# Allegro board 6089-119-RevB_08.brd (continued)
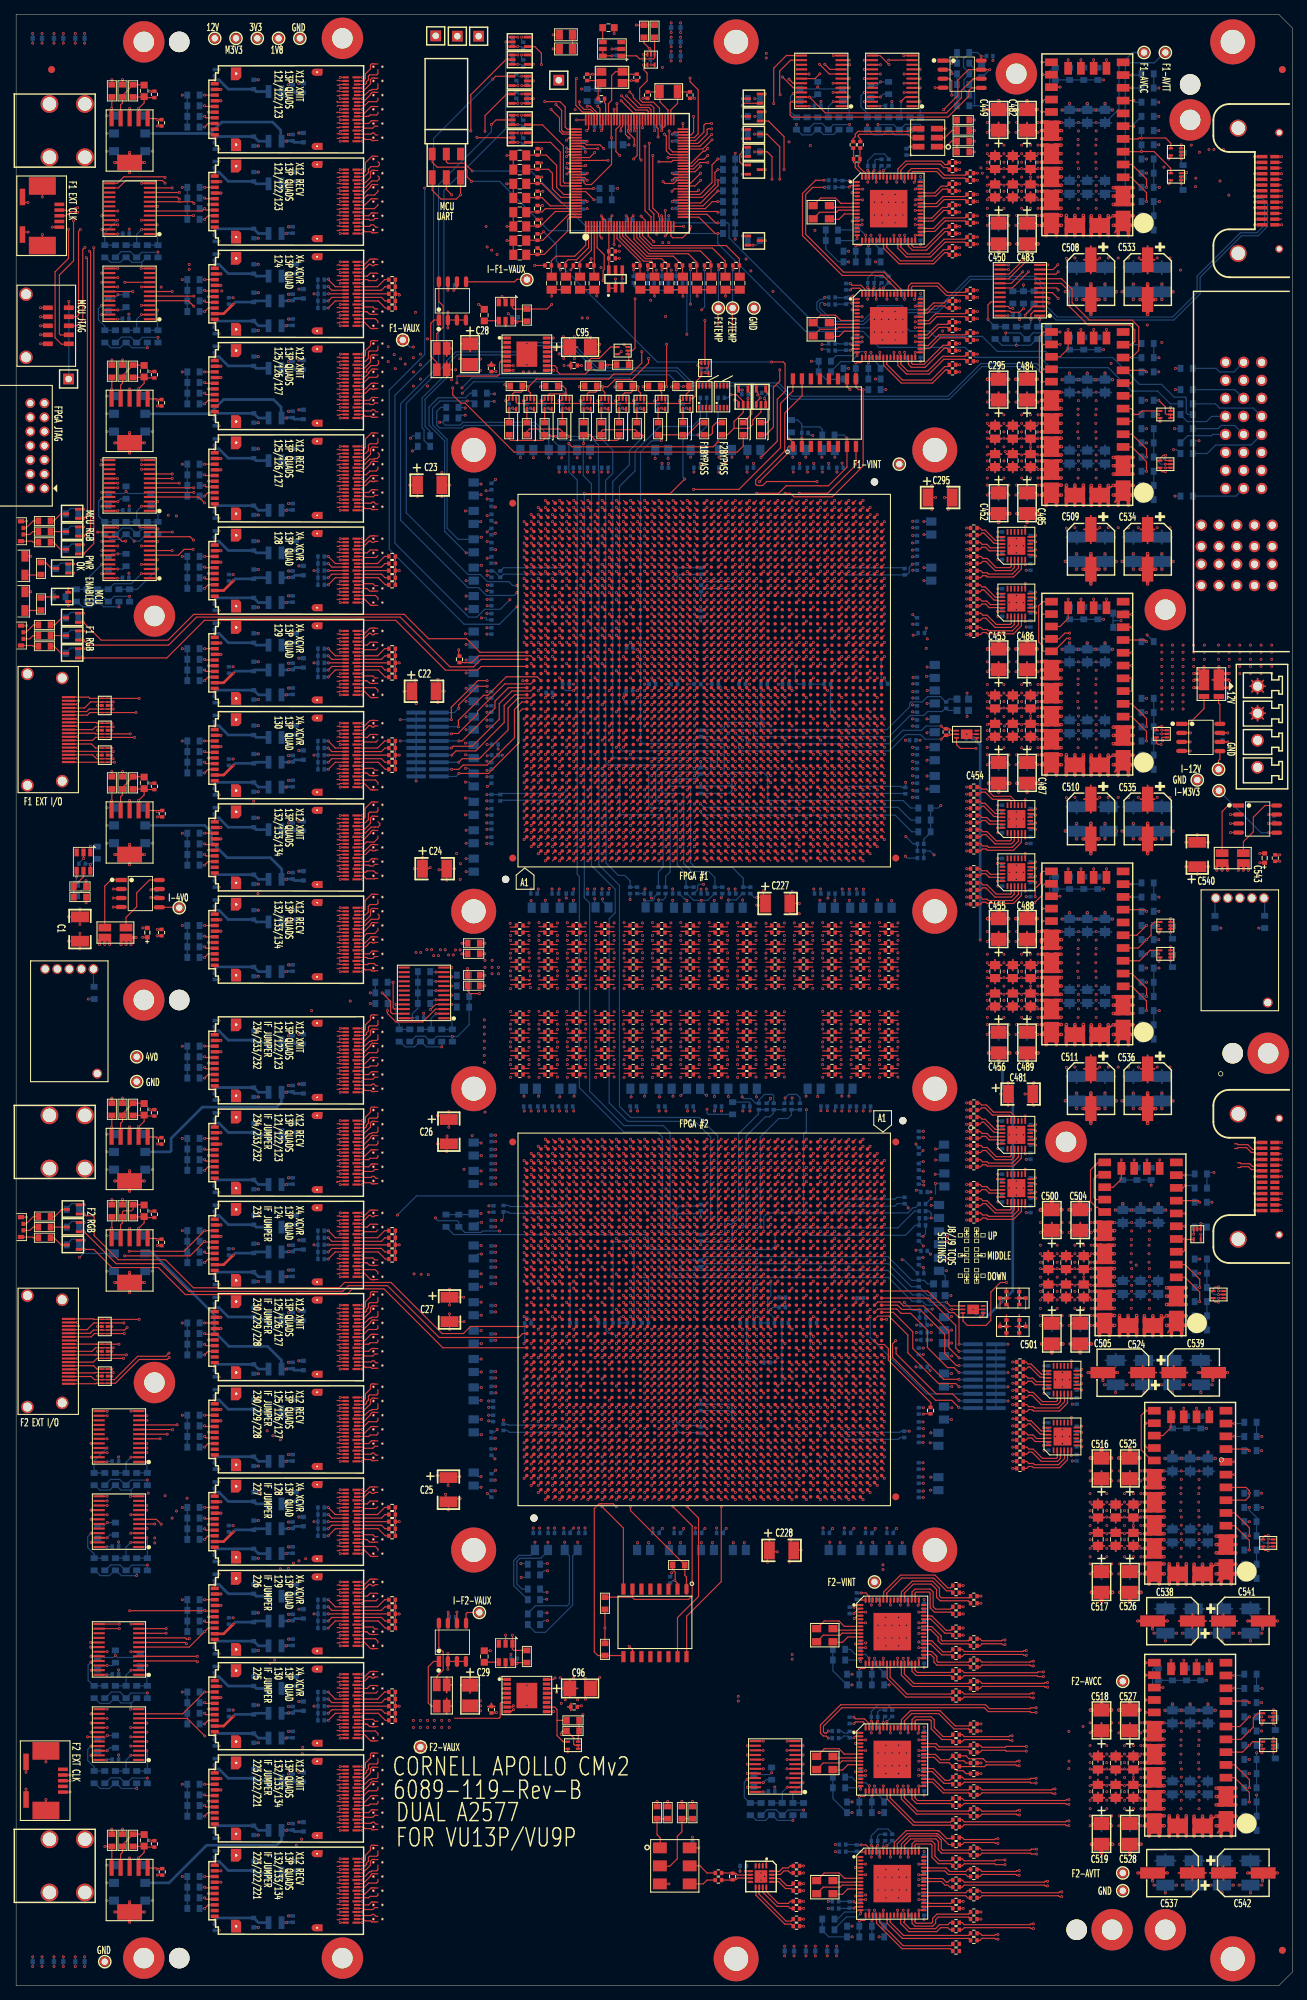
[diagram p0: board, top side]
## Routing (per net, layer and track width the routed paths; a pad name or vN(x,y) marks a point on that pad's centre or on a via; arc(x,y) is an arc through that point) (continued)
  TOP w0.5: v1(144.55,134.05) 145.57,134.05 145.93,134.4 ; v1(144.55,135.45) 145.55,135.45 145.93,135.07 ; 145.93,133.68 146.65,132.95 v1(146.65,132.6) ; 145.93,133.68 145.2,132.95 v1(145.2,132.6) ; 145.93,133.68 145.93,134.4 ; 145.93,134.4 U108.26 146.28,134.05 v1(147.35,134.05) ; 145.93,134.4 145.93,135.07 ; 145.93,135.07 146.3,135.45 v1(147.33,135.45) ; 145.93,138.32 145.93,138.35 145.43,138.85 v1(144.54,138.85) ; 145.93,138.32 146.45,138.85 v1(147.31,138.85) ; 145.93,138.32 145.93,137.65 ; v1(147.31,136.45) 146.4,136.45 145.93,136.93 ; v1(144.54,136.45) 145.45,136.45 145.93,136.93 ; 145.93,137.65 145.93,136.93 ; 145.93,137.65 v1(147.31,137.65) ; 145.93,137.65 v1(144.54,137.65)
  PWR2 w0.254: PM8.1 37.67,273.73 ; PM8.1 37,273.52 ; PM8.1 36.33,275.07 ; PM8.1 37.67,275.07 ; PM8.1 36.33,273.73 ; PM8.1 37.88,274.4 ; PM8.1 37,275.28 ; PM8.1 36.12,274.4
  BOTTOM w0.165: C666.1 142.89,109.74 v1(142.25,109.74) ; v1(127.24,15.65) 127.8,15.65 C749.1 ; v1(125.25,246.66) 125.25,246.1 C794.1 ; R329.1 v1(122.6,224.9) ; v1(138.34,118.65) 138.8,118.65 C693.1 ; C982.1 70.21,261.06 v1(70.72,261.06) ; C987.1 v1(66.61,82.4) ; v1(134.05,182.14) 134.05,181.51 L1.1 ; v1(111.34,5.58) C863.1 v1(111.34,4.22) ; v1(127.24,29.65) 127.8,29.65 C746.1 ; R421.1 99.55,153.45 v1(99.4,153.3) ; v1(144.84,86.65) 145.3,86.65 C649.1 ; v1(104.36,125.25) 104.35,125.25 104.35,126.34 C872.1 ; v1(88,222.3) 87.8,222.3 87.5,222 C923.1 ; C665.1 142.89,117.24 v1(142.25,117.24) ; 55.85,136.37 55.88,136.4 C1052.1 ; 55.85,136.37 55.85,136.95 56.64,137.74 R491.2 R490.2 R489.2 R488.2 ; 55.85,136.37 55.8,136.32 v1(55.83,136.32) ; v1(126.75,246.66) 127.31,246.66 C756.1 ; C695.1 138.8,111.15 v1(138.34,111.15) ; C634.1 149.39,74.74 v1(148.75,74.74) ; R300.2 v1(129,110.95) ; v1(148.75,82.74) 149.39,82.74 C633.1 ; v1(102.79,16.15) 102.79,16.74 C875.1 ; v1(122.25,10.66) 122.25,10.2 C815.1 ; R482.2 v1(61.5,133.77) ; v1(61.5,133.77) 61.52,133.75 62.2,133.75 63.86,135.41 R478.2 R477.2 R476.2 R475.2 ; v1(61.5,133.77) 59.32,133.77 58.59,133.04 R485.2 58.41,133.04 57.65,133.8 56.35,133.8 55.59,133.04 R493.2 ; C820.1 121.45,18.44 v1(121.75,18.14) ; v1(126.74,231.65) 127.3,231.65 C759.1 ; v1(96.9,155.2) 96.25,155.2 96.05,155 96.05,154.4 95.55,153.9 R433.1 ; v1(127.25,10.66) 127.81,10.66 C751.1 ; C765.1 127.5,105.6 v1(127.85,105.6) 128.2,105.95 R303.1 ; C1032.1 v1(63.44,182.81) ; C936.1 82.5,222 82.8,222.3 v1(83,222.3) ; v1(142.25,154.24) 142.36,154.35 C662.1 ; C741.1 127.8,51.15 v1(127.24,51.15) ; v1(138.34,193.65) 138.8,193.65 C687.1 ; v1(142.25,200.24) 142.36,200.35 C657.1 ; v1(126.75,230.16) 127.31,230.16 C760.1 ; C1029.1 v1(63.44,195.81) ; v1(66.35,172.55) 66.8,172.55 C1003.1 ; v1(77.5,222.3) 77.3,222.3 77,222 C954.1 ; R483.1 R479.1 64.35,108.66 C1041.1 v1(65.56,108.81) ; C979.1 70.21,274.56 v1(70.72,274.56) ; R298.2 128.45,95.35 v1(129.15,95.35) ; v1(70.72,272.06) 70.21,272.06 C980.1 ; v1(80.5,222.3) 80.3,222.3 80,222 C941.1 ; v1(127.24,52.65) 127.7,52.65 C740.1 ; R305.2 127.95,161.55 128.91,162.51 R297.1 R296.1 R295.1 130,165.95 v1(130.35,166.3) ; C690.1 138.8,158.15 v1(138.34,158.15) ; v1(70.72,267.74) 70.72,268.23 C975.1 ; C790.1 125.78,259.13 v1(126.05,259.13) ; C798.1 125.75,18.6 v1(125.75,18.14) ; v1(92.34,273.22) C905.1 v1(92.34,274.58) ; C911.1 v1(91.95,214.51) ; C799.1 124.95,254.44 v1(125.25,254.14) ; v1(121.75,230.16) 121.75,229.7 C817.1 ; C688.1 138.8,165.65 v1(138.34,165.65) ; v1(126.74,236.65) 127.04,236.95 C757.1 ; C909.1 92.55,57.1 v1(92.85,57.1) ; v1(75,222.3) 74.8,222.3 74.5,222 C959.1 ; v1(127.25,46.16) 127.81,46.16 C743.1 ; v1(5.34,4.08) C1231.1 v1(5.34,2.72) ; v1(125.75,46.16) 125.75,45.6 C791.1 ; C1013.1 v1(67.6,107.85) ; v1(126.74,253.15) 127.04,253.45 C753.1 ; v1(72.5,222.3) 72.3,222.3 72,222 C970.1 ; C755.1 127.3,248.15 v1(126.74,248.15) ; C822.1 121.25,238.1 v1(121.25,237.64) ; C750.1 127.8,12.15 v1(127.24,12.15) ; C792.1 125.75,27.6 v1(125.75,28.16) ; L4.1 131.7,97.25 131.7,97.26 v1(131.78,97.26) ; C686.1 138.8,196.15 v1(138.34,196.15) ; C661.1 142.89,161.74 v1(142.25,161.74) ; C981.1 70.21,263.56 v1(70.72,263.56) ; v1(138.34,201.65) 138.8,201.65 C685.1 ; C1047.1 v1(65.59,84.31) ; v1(96.23,19.44) 96.22,19.45 C926.1 ; C684.1 138.8,204.15 v1(138.34,204.15) ; v1(91,222.3) 90.8,222.3 90.5,222 C916.1 ; R367.1 113.64,219.31 113.3,219.65 110.75,219.65 ; v1(121.75,53.64) 121.75,54.1 C818.1 ; v1(127.25,28.16) 127.81,28.16 C747.1 ; 110.75,219.65 110.75,220.05 110.19,220.61 R383.1 ; 110.75,219.65 C864.1 110.75,218.09 v1(110.77,218.07) ; C795.1 125.25,229.6 v1(125.25,230.16) ; C691.1 138.8,155.65 v1(138.34,155.65) ; R497.2 v1(49.93,138.4) ; R380.1 110.5,125.15 110.05,125.6 108.9,125.6 v1(108.4,125.1) 108.4,124.45 R387.1 ; C918.1 v1(90.56,153) 90.57,153 91.2,153 91.55,153.35 R438.2 ; v1(125.75,10.66) 125.75,10.1 C793.1 ; v1(125.75,35.64) 125.75,36.03 125.7,36.15 C797.1 ; v1(122.25,28.16) 122.25,27.7 C814.1 ; v1(121.25,254.14) 121.25,254.6 C821.1 ; C816.1 121.75,246.2 v1(121.75,246.66) ; v1(138.34,113.65) 138.8,113.65 C694.1 ; C650.1 145.3,84.15 v1(144.84,84.15) ; C658.1 142.89,192.24 v1(142.25,192.24) ; C898.1 94,222 94.3,222.3 v1(94.5,222.3) ; C796.1 125.75,54.1 v1(125.75,53.64) ; v1(127.24,33.15) 127.8,33.15 C745.1 ; v1(126.74,251.65) 126.94,251.85 C754.1 ; C721.1 130.96,81.45 v1(131.9,81.45) ; C919.1 89.45,153.4 89.5,153.35 89.5,153.26 v1(89.56,153.26) ; C819.1 121.75,36.1 v1(121.75,35.64) ; C800.1 124.95,237.94 v1(125.25,237.64) ; C913.1 v1(91.91,215.2) ; v1(86.56,153.05) 86.55,153.05 R449.1 ; v1(144.84,78.65) 145.3,78.65 C651.1 ; C997.1 v1(66.4,195.35) ; v1(144.84,76.15) 145.3,76.15 C652.1 ; C744.1 127.7,34.65 v1(127.24,34.65) ; v1(138.34,163.15) 138.8,163.15 C689.1 ; C1000.1 v1(66.36,182.35) ; C929.1 85,222 85.3,222.3 v1(85.5,222.3) ; C723.1 130.61,105.8 131.05,105.8 v1(131.28,105.58) ; C808.1 v1(123.41,152.91) ; v1(70.72,265.24) 70.72,265.73 C976.1 ; C758.1 126.94,235.35 v1(126.74,235.15) ; C983.1 69.5,222 69.8,222.3 v1(70,222.3) ; C887.1 97.45,227.65 v1(97.1,227.3) ; R412.1 103.33,124.51 103.45,124.4 C873.1 103.45,123.27 v1(103.44,123.27) ; C748.1 127.7,17.15 v1(127.24,17.15) ; v1(138.34,121.15) 138.8,121.15 C692.1 ; v1(122.25,46.16) 122.25,45.7 C813.1 ; C742.1 127.8,47.65 v1(127.24,47.65) ; v1(5.34,275.08) C1230.1 v1(5.34,273.72) ; C1038.1 v1(63.44,158.81) ; v1(124.91,62.45) C801.1 ; C770.1 v1(127.89,81.45)
  BOTTOM w0.254: 138,137.24 C448.1 ; C448.1 138,138.74 ; C448.1 137.1,137.99 ; C448.1 138.9,137.99 ; C642.1 149.4,138.49 ; C642.1 147.6,138.49 ; C642.1 148.5,137.74 ; 139.6,137.99 C464.1 ; C464.1 140.5,138.74 ; C464.1 140.5,137.24 ; C464.1 141.4,137.99 ; C489.1 143.8,134.36 ; C489.1 142.5,135.45 ; C489.1 142.5,133.27 ; C489.1 141.2,134.36 ; C497.1 143.9,137.99 ; C497.1 143,138.74 ; C497.1 142.1,137.99 ; C497.1 143,137.24 ; 151,137.74 C624.1 ; C624.1 150.1,138.49 ; C624.1 151.9,138.49 ; C456.1 138.5,135.45 ; C456.1 139.8,134.36 ; C456.1 137.2,134.36 ; C456.1 138.5,133.27 ; 152.6,138.49 C607.1 153.5,137.74
  BOTTOM w0.38: C1055.1 39.29,237.74 C1090.1 v1(38.39,237.45) 38.34,237.4 L10.1 ; L41.1 38.34,64.4 v1(38.39,64.45) C1112.1 39.29,64.74 C1068.1 ; C1069.1 39.29,51.74 C1114.1 v1(38.39,51.45) 38.34,51.4 L44.1 ; C1065.1 39.29,103.74 C1107.1 v1(38.39,103.45) 38.34,103.4 L34.1 ; L20.1 38.34,185.4 v1(38.39,185.45) C1097.1 39.29,185.74 C1059.1 ; C1058.1 39.29,198.74 C1095.1 v1(38.39,198.45) 38.34,198.4 L17.1 ; C1060.1 39.29,172.74 C1099.1 v1(38.39,172.45) 38.34,172.4 L23.1 ; L47.1 38.34,38.4 v1(38.39,38.45) C1116.1 39.29,38.74 C1070.1
  vias: v1(136.9,138.85) v1(136.9,137.65) v1(136.9,136.45) v1(136.9,135.45) v1(136.9,134.05) v1(139.25,138.85) v1(139.25,137.65) v1(139.25,136.45) v1(139.95,135.45) v1(139.95,134.05) v1(140.95,134.05) v1(141.05,135.45) v1(141.75,138.85) v1(141.75,137.65) v1(141.75,136.45) v1(143,136.45) v1(144.05,138.85) v1(144.05,137.65) v1(144.05,136.45) v1(144.05,135.45) v1(144.05,134.05) v1(149.7,136.45) v1(149.75,138.85) v1(149.75,137.65) v1(152.25,138.85) v1(152.25,137.65) v1(152.25,136.45)
V_3V3: length 233.1
  TOP w0.165: U90.13 v1(119.76,29.65) ; U89.13 v1(119.76,47.65) ; D3.3 v1(1.45,108.3) ; U87.13 v1(119.26,231.65) ; U86.13 v1(119.26,248.15) ; D2.3 v1(1.45,191.65) ; D4.2 v1(2.06,201.42) ; R76.2 v1(62.85,146.9) ; U91.13 v1(119.76,12.15)
  TOP w0.254: 74.78,40.58 75.49,40.58 ; U56.12 75.49,229.57 ; 147.18,144.12 U108.23 144.72,144.12 ; 76.95,41.9 C96.1 ; C96.1 79.13,41.9 ; C96.1 78.04,40.6 ; C96.1 78.04,43.2 ; C77.1 78.2,39.78 ; C77.1 78.2,38.82 ; C77.1 77.77,39.3 ; 138.5,146.35 C455.1 ; C455.1 137.2,147.44 ; C455.1 138.5,148.53 ; C455.1 139.8,147.44 ; U56.13 75.49,230.22 ; C76.1 78.2,228.78 ; C76.1 77.77,228.3 ; C76.1 78.2,227.82 ; 141.2,147.44 C488.1 ; C488.1 142.5,146.35 ; C488.1 142.5,148.53 ; C488.1 143.8,147.44 ; C447.1 138.9,143.81 ; C447.1 138,144.56 ; C447.1 137.1,143.81 ; C447.1 138,143.06 ; 140.5,143.06 C463.1 ; C463.1 140.5,144.56 ; C463.1 139.6,143.81 ; C463.1 141.4,143.81 ; 147.18,147.38 U108.22 144.72,147.38 ; 142.1,143.81 C496.1 ; C496.1 143,144.56 ; C496.1 143,143.06 ; C496.1 143.9,143.81 ; 76.95,230.9 C95.1 ; C95.1 78.04,232.2 ; C95.1 78.04,229.6 ; C95.1 79.13,230.9 ; U56.14 75.49,230.88 ; U57.13 75.49,41.23 ; U57.14 75.49,41.88
  TOP w0.5: v1(147.31,145.35) 146.45,145.35 145.93,144.82 ; 145.93,148.07 146.4,148.55 147.13,148.55 ; 145.93,148.07 145.4,148.6 144.6,148.6 v1(144.55,148.55) ; 145.93,148.07 145.93,147.4 ; 145.93,143.43 145.45,142.95 v1(144.54,142.95) ; 145.93,143.43 146.4,142.95 v1(147.31,142.95) ; 145.93,143.43 145.93,144.15 ; 147.25,146.25 146.35,146.25 145.93,146.68 ; 145.93,146.68 145.5,146.25 144.65,146.25 ; 145.93,146.68 145.93,147.4 ; 145.93,144.82 145.93,144.15 ; 145.93,144.82 145.93,144.85 145.43,145.35 v1(144.54,145.35) ; 145.93,144.15 v1(144.54,144.15) ; 145.93,144.15 v1(147.31,144.15) ; 145.93,147.4 144.55,147.4 v1(144.55,147.06) ; 145.93,147.4 v1(147.35,147.4)
  PWR5 w0.254: 33.12,274.4 PM7.1 ; PM7.1 34,273.52 ; PM7.1 34,275.28 ; PM7.1 33.33,275.07 ; PM7.1 34.67,275.07 ; PM7.1 33.33,273.73 ; PM7.1 34.67,273.73 ; PM7.1 34.88,274.4
  BOTTOM w0.165: SW4.3 v1(19.2,115) ; v1(92.35,241.75) 92.35,241.3 R439.1 ; C829.1 119.2,12.15 v1(119.76,12.15) ; R362.2 R363.2 115.14,26.4 R342.2 v1(117.85,24.4) ; R320.2 v1(123.07,42.4) ; SW1.4 v1(12.8,263.5) ; R368.2 R369.2 113.64,7.81 114.55,6.9 R344.2 v1(117.85,6.9) ; SW2.4 v1(12.8,224) ; v1(8.34,273.72) C1227.1 v1(8.34,275.08) ; SW2.3 v1(19.2,219) ; v1(117.85,42.4) R340.2 115.14,44.4 R361.2 R360.2 ; v1(8.34,2.72) C1228.1 v1(8.34,4.08) ; SW5.3 v1(19.2,100.7) ; SW1.3 v1(19.2,258.5) ; v1(92.34,272.58) C906.1 v1(92.34,271.22) ; R324.2 v1(121.65,6.9) ; R349.2 116.59,226.35 114.15,226.35 113.14,227.36 R372.2 R371.2 v1(112.1,228.9) ; v1(119.26,231.65) 119.06,231.45 C831.1 ; v1(114.34,5.58) C853.1 v1(114.34,4.22) ; v1(117.35,242.9) R347.2 116.59,242.95 115.9,242.95 114.14,244.71 R365.2 R364.2 ; SW3.4 v1(12.8,166) ; SW5.4 v1(12.8,105.7) ; R322.2 v1(121.65,24.4) ; SW3.3 v1(19.2,161) ; SW6.4 v1(12.8,17) ; v1(119.76,47.65) 119.2,47.65 C827.1 ; v1(119.76,29.65) 119.56,29.45 C828.1 ; R326.2 v1(121.15,242.9) ; SW6.3 v1(19.2,12) ; C830.1 119.06,247.95 v1(119.26,248.15) ; R402.1 v1(104.13,263.4) ; SW4.4 v1(12.8,120) ; R328.2 v1(121.15,226.4) ; R401.1 v1(104.13,265.9)
  BOTTOM w0.254: C447.1 138,144.56 ; C447.1 138,143.06 ; C447.1 137.1,143.81 ; C447.1 138.9,143.81 ; C496.1 143.9,143.81 ; C496.1 143,143.06 ; C496.1 143,144.56 ; C496.1 142.1,143.81 ; 152.6,148.49 C606.1 ; C606.1 153.5,149.24 ; C606.1 153.5,147.74 ; C606.1 154.4,148.49 ; C488.1 142.5,148.53 ; C488.1 143.8,147.44 ; C488.1 141.2,147.44 ; C488.1 142.5,146.35 ; 138.5,146.35 C455.1 ; C455.1 137.2,147.44 ; C455.1 138.5,148.53 ; C455.1 139.8,147.44 ; 139.6,143.81 C463.1 ; C463.1 141.4,143.81 ; C463.1 140.5,144.56 ; C463.1 140.5,143.06 ; C641.1 149.4,148.49 ; C641.1 148.5,147.74 ; C641.1 147.6,148.49 ; C641.1 148.5,149.24 ; 151,147.74 C623.1 ; C623.1 151,149.24 ; C623.1 150.1,148.49 ; C623.1 151.9,148.49
  BOTTOM w0.38: C1098.1 38.17,181.95 v1(38.12,181.9) L21.1 ; L39.1 v1(38.12,73.9) 38.17,73.95 C1111.1 ; L18.1 v1(38.12,194.9) 38.17,194.95 C1096.1 ; L22.1 v1(38.12,175.9) 38.46,176.24 C1078.1 ; L46.1 v1(38.12,41.9) 38.46,42.24 C1085.1 ; C1053.1 39.21,266.74 C1087.1 38.17,266.95 v1(38.12,266.9) L5.1 ; L14.1 v1(38.12,214.9) ; L38.1 v1(38.12,80.9) ; L11.1 v1(38.12,233.9) 38.17,233.95 C1091.1 ; L32.1 v1(38.12,112.9) 38.17,112.95 C1106.1 ; C1081.1 38.46,107.24 v1(38.12,106.9) L33.1 ; C1063.1 39.21,132.74 C1104.1 38.17,132.95 v1(38.12,132.9) L29.1 ; C1113.1 38.17,60.95 v1(38.12,60.9) L42.1 ; L16.1 v1(38.12,201.9) 38.46,202.24 C1076.1 ; C1094.1 38.17,207.95 v1(38.12,207.9) L15.1 ; L8.1 v1(38.12,246.9) 38.17,246.95 C1089.1 ; L24.1 v1(38.12,168.9) 38.17,168.95 C1100.1 ; L48.1 v1(38.12,34.9) 38.17,34.95 C1117.1 ; C1082.1 v1(38.85,81.24) ; C1083.1 38.46,68.24 v1(38.12,67.9) L40.1 ; C1073.1 v1(38.85,254.24) ; C1074.1 38.46,241.24 v1(38.12,240.9) L9.1 ; L35.1 v1(38.12,99.9) 38.17,99.95 C1108.1 ; C1077.1 38.46,189.24 v1(38.12,188.9) L19.1 ; C1075.1 v1(38.85,215.24) ; C1120.1 38.17,8.95 v1(38.12,8.9) L52.1 ; L12.1 v1(38.12,227.9) 38.17,227.95 C1092.1 39.21,227.74 C1056.1 ; L25.1 v1(38.12,162.9) 38.17,162.95 C1101.1 39.21,162.74 C1061.1 ; C1079.1 v1(38.85,150.24) ; C1071.1 39.21,28.74 C1118.1 38.17,28.95 v1(38.12,28.9) L49.1 ; C1086.1 v1(38.85,16.24) ; L36.1 v1(38.12,93.9) 38.17,93.95 C1109.1 39.21,93.74 C1066.1 ; C1084.1 38.46,55.24 v1(38.12,54.9) L43.1 ; C1080.1 v1(38.85,120.24) ; L45.1 v1(38.12,47.9) 38.17,47.95 C1115.1 ; L7.1 v1(38.12,253.9) ; L27.1 v1(38.12,149.9) ; L51.1 v1(38.12,15.9) ; L31.1 v1(38.12,119.9) ; L28.1 v1(38.12,142.9) 38.17,142.95 C1103.1
  vias: v1(75.95,230.55) v1(76.2,41.35) v1(76.55,229.95) v1(76.71,43.39) v1(76.85,39.8) v1(77.15,232.35) v1(77.2,229.3) v1(77.25,228.3) v1(77.4,40.3) v1(78.55,43.35) v1(78.7,232.35) v1(78.7,229.3) v1(79.15,40.3) v1(136.9,148.55) v1(136.9,147.15) v1(136.9,145.35) v1(136.9,144.15) v1(136.9,142.95) v1(139.25,145.35) v1(139.25,144.15) v1(139.25,142.95) v1(139.95,148.55) v1(139.95,147.15) v1(140.95,147.15) v1(141.05,148.55) v1(141.75,145.35) v1(141.75,144.15) v1(141.75,142.95) v1(142.98,145.35) v1(143.75,147.09) v1(144.05,148.55) v1(144.05,145.35) v1(144.05,144.15) v1(144.05,142.95) v1(144.55,146.25) v1(147.35,148.55) v1(147.35,146.25) v1(149.7,146.15) v1(149.7,145.35) v1(149.7,144.15) v1(149.65,142.95) v1(149.75,148.55) v1(149.75,147.35) v1(152.25,148.55) v1(152.25,147.35) v1(152.25,146.15) v1(152.2,145.35) v1(152.2,144.15) v1(152.2,142.95)
V_4V0: length 114.2
  TOP w0.165: U13.1 19.74,263.1 v1(19.89,262.95) C15.1 ; C19.1 19.94,105.2 v1(19.89,105.15) 19.74,105.3 U21.1 ; C18.1 19.94,119.5 v1(19.89,119.45) 19.74,119.6 U20.1 ; C21.1 19.94,16.5 v1(19.89,16.45) 19.74,16.6 U22.1 ; U19.1 19.74,165.6 v1(19.89,165.45) 20.04,165.6 C20.1 ; U16.1 19.74,223.6 v1(19.89,223.45) 19.94,223.5 C16.1
  TOP w0.38: v1(13.2,146.75) 13.2,147.3 12.8,147.7 R20.1 ; v1(11.75,146.75) 11.75,147.3 12.15,147.7 R20.1 ; R20.1 v1(12.5,146.75)
  PWR1 w0.254: PM2.1 17.67,131.57 ; PM2.1 16.12,130.9 ; PM2.1 16.33,130.23 ; PM2.1 16.33,131.57 ; PM2.1 17.67,130.23 ; PM2.1 17,131.78 ; PM2.1 17.88,130.9 ; PM2.1 17,130.02
  PWR4 w0.152: v1(52.45,230.95) 52.45,232.5 53.32,233.37 58.73,233.37 59.4,232.7 76.96,232.7 76.99,232.73 77.31,232.73 77.34,232.7 78.51,232.7 78.54,232.73 78.86,232.73 78.89,232.7 v1(94.55,232.7)
  SIG3 w0.079: v1(19.89,223.45) 19.89,224.79 27.25,232.15 50.85,232.15 51.85,232.15 52.45,231.55 v1(52.45,230.95)
  BOTTOM w0.165: v1(94.55,232.7) 94.55,240.4 94.05,240.9 R435.1
V_12V: length 434.1
  TOP w0.165: C540.1 v1(166.5,156.59) ; C540.1 v1(164.9,157.69) ; C540.1 v1(168.1,157.69) ; R98.1 v1(75.71,274.9) ; C1.1 v1(9,146.09) ; C1.1 v1(7.4,147.19) ; C1.1 v1(9,148.3)
  TOP w0.254: 154.87,209.05 U106.1 ; C534.1 159.5,207.13 ; C534.1 159.5,203.27 ; C534.1 160.48,205.2 ; C534.1 158.52,205.2 ; 163.87,51.4 C538.1 ; C538.1 165.8,52.38 ; C538.1 167.73,51.4 ; C538.1 165.8,50.42 ; C539.1 165.13,86.4 ; C539.1 161.27,86.4 ; C539.1 163.2,85.42 ; C539.1 163.2,87.38 ; 159.5,241.27 C533.1 ; C533.1 158.52,243.2 ; C533.1 160.48,243.2 ; C533.1 159.5,245.13 ; 154.87,133.05 U108.1 ; C536.1 159.5,131.13 ; C536.1 159.5,127.27 ; C536.1 158.52,129.2 ; C536.1 160.48,129.2 ; 150.52,167.2 C510.1 ; C510.1 151.5,169.13 ; C510.1 151.5,165.27 ; C510.1 152.48,167.2 ; U108.28 154.38,135.21 ; 154.87,247.05 156.05,248.68 ; U107.28 154.38,173.21 ; C542.1 172.13,15.9 ; C542.1 168.27,15.9 ; C542.1 170.2,16.88 ; C542.1 170.2,14.92 ; 166.61,185.66 R145.1 ; 156.87,86.4 C524.1 ; C524.1 158.8,85.42 ; C524.1 158.8,87.38 ; C524.1 160.73,86.4 ; 168.27,51.4 C541.1 ; C541.1 172.13,51.4 ; C541.1 170.2,50.42 ; C541.1 170.2,52.38 ; C537.1 167.73,15.9 ; C537.1 163.87,15.9 ; C537.1 165.8,14.92 ; C537.1 165.8,16.88 ; C508.1 152.48,243.2 ; C508.1 151.5,241.27 ; C508.1 150.52,243.2 ; C508.1 151.5,245.13 ; 167.25,58.02 168.88,59.21 ; 169.37,57.05 U117.1 ; C535.1 159.5,169.13 ; C535.1 159.5,165.27 ; C535.1 160.48,167.2 ; C535.1 158.52,167.2 ; 150.52,129.2 C511.1 ; C511.1 151.5,131.13 ; C511.1 152.48,129.2 ; C511.1 151.5,127.27 ; 154.87,171.05 U107.1 ; 169.37,21.55 170.55,23.18 ; C509.1 152.48,205.2 ; C509.1 151.5,203.27 ; C509.1 151.5,207.13 ; C509.1 150.52,205.2 ; U118.28 168.88,23.71 ; U105.28 154.38,249.21 ; 162.37,92.05 U109.1 ; U109.28 161.88,94.21 ; U106.28 154.38,211.21
  TOP w0.38: R145.1 166.11,184.01 v1(166,183.9) ; R145.1 167.45,183.35 167,182.9 v1(166,182.9) ; R145.1 167.45,184.45 ; v1(166,184.9) 167,184.9 167.45,184.45 ; 167.45,184.45 v1(167.45,185.85)
  TOP w0.5: v1(154.65,211.4) 155.95,211.4 156.05,211.3 ; 156.05,171.95 155.35,171.25 v1(155.35,170.6) ; 156.05,171.95 U107.1 ; 156.05,171.95 156.8,171.2 v1(156.8,170.6) ; 152.03,134.03 151.55,134.5 v1(151.55,135.41) ; 152.03,134.03 151.55,133.55 v1(151.55,132.6) ; 152.03,134.03 U108.28 ; U106.1 155.78,210.68 155.15,210.05 v1(154.67,210.05) ; U106.1 156.05,209.95 ; U106.1 156.43,210.68 157.05,210.05 v1(157.45,210.05) ; U106.1 156.05,211.3 ; 156.05,248.68 156.43,248.68 157.05,248.05 v1(157.45,248.05) ; 156.05,248.68 155.78,248.68 155.15,248.05 v1(154.67,248.05) ; 156.05,248.68 156.05,247.95 ; 156.05,248.68 156.05,249.3 ; U107.1 155.78,172.68 155.15,172.05 v1(154.67,172.05) ; U107.1 156.05,173.3 ; U107.1 156.43,172.68 157.05,172.05 v1(157.45,172.05) ; 170.55,59.3 170.45,59.4 v1(169.15,59.4) ; 170.55,59.3 170.65,59.4 v1(171.95,59.4) ; 170.55,59.3 U117.1 ; v1(169.85,21.1) 169.85,21.75 170.55,22.45 ; v1(156.8,132.6) 156.8,133.2 156.05,133.95 ; v1(155.35,246.6) 155.35,247.25 156.05,247.95 ; 160.93,93.03 U109.28 ; 160.93,93.03 161.45,92.5 v1(161.45,91.6) ; 160.93,93.03 160.95,93.03 161.45,93.53 v1(161.45,94.41) ; U109.28 v1(160.25,91.6) ; U109.28 v1(160.25,94.41) ; U109.28 159.53,93.03 ; 170.55,23.8 170.45,23.9 v1(169.15,23.9) ; 170.55,23.8 170.55,23.18 ; 170.55,23.8 170.65,23.9 v1(171.95,23.9) ; v1(156.8,208.6) 156.8,209.2 156.05,209.95 ; 152.03,210.03 151.55,210.5 v1(151.55,211.41) ; 152.03,210.03 151.55,209.55 v1(151.55,208.6) ; 152.03,210.03 U106.28 ; U107.28 153.43,172.03 ; U107.28 v1(152.75,173.41) ; U107.28 152.03,172.03 ; U107.28 v1(152.75,170.6) ; 153.43,172.03 153.45,172.03 153.95,172.53 v1(153.95,173.41) ; 153.43,172.03 153.95,171.5 v1(153.95,170.6) ; 166.53,58.02 166.05,57.55 v1(166.05,56.6) ; 166.53,58.02 166.05,58.5 v1(166.05,59.41) ; 166.53,58.02 167.25,58.02 ; U108.28 153.43,134.03 ; U108.28 v1(152.75,135.41) ; U108.28 v1(152.75,132.6) ; 153.43,134.03 153.45,134.03 153.95,134.53 v1(153.95,135.41) ; 153.43,134.03 153.95,133.5 v1(153.95,132.6) ; 167.93,58.02 167.95,58.02 168.45,58.52 v1(168.45,59.41) ; 167.93,58.02 168.45,57.5 v1(168.45,56.6) ; 167.93,58.02 167.25,58.02 ; 153.43,248.03 153.95,247.5 v1(153.95,246.6) ; 153.43,248.03 U105.28 ; 153.43,248.03 153.45,248.03 153.95,248.53 v1(153.95,249.41) ; v1(171.3,56.6) 171.3,57.2 170.55,57.95 ; 167.25,58.02 v1(167.25,56.6) ; 167.25,58.02 v1(167.25,59.41) ; v1(171.3,21.1) 171.3,21.7 170.55,22.45 ; v1(151.55,173.41) 151.55,172.5 152.03,172.03 ; v1(168.45,21.1) 168.45,22 167.93,22.52 ; v1(162.15,94.4) 163.45,94.4 163.55,94.3 ; U106.28 153.43,210.03 ; U106.28 v1(152.75,211.41) ; U106.28 v1(152.75,208.6) ; 153.43,210.03 153.95,209.5 v1(153.95,208.6) ; 153.43,210.03 153.45,210.03 153.95,210.53 v1(153.95,211.41) ; 156.05,173.3 156.15,173.4 v1(157.45,173.4) ; 156.05,173.3 155.95,173.4 v1(154.65,173.4) ; v1(162.85,91.6) 162.85,92.25 163.55,92.95 ; U118.28 v1(167.25,21.1) ; U118.28 167.93,22.52 ; U118.28 166.53,22.52 ; U118.28 v1(167.25,23.91) ; 170.55,22.45 170.55,23.18 ; 152.03,172.03 151.55,171.55 v1(151.55,170.6) ; 167.93,22.52 167.95,22.52 168.45,23.02 v1(168.45,23.91) ; v1(169.17,22.55) 169.65,22.55 170.28,23.18 170.55,23.18 ; v1(157.45,211.4) 156.15,211.4 156.05,211.3 ; 156.05,247.95 156.8,247.2 v1(156.8,246.6) ; U108.1 155.78,134.68 155.15,134.05 v1(154.67,134.05) ; U108.1 156.05,135.3 ; U108.1 156.05,133.95 ; U108.1 156.43,134.68 157.05,134.05 v1(157.45,134.05) ; v1(154.65,249.4) 155.95,249.4 156.05,249.3 ; v1(151.55,249.41) 151.55,248.5 152.03,248.03 ; 156.05,209.95 155.35,209.25 v1(155.35,208.6) ; U109.1 163.55,94.3 ; U109.1 163.93,93.67 164.55,93.05 v1(164.95,93.05) ; U109.1 163.28,93.67 162.65,93.05 v1(162.17,93.05) ; U109.1 163.55,92.95 ; 163.55,94.3 163.65,94.4 v1(164.95,94.4) ; 163.55,92.95 164.3,92.2 v1(164.3,91.6) ; 156.05,135.3 155.95,135.4 v1(154.65,135.4) ; 156.05,135.3 156.15,135.4 v1(157.45,135.4) ; 170.55,23.18 170.93,23.18 171.55,22.55 v1(171.95,22.55) ; 152.03,248.03 151.55,247.55 v1(151.55,246.6) ; 152.03,248.03 U105.28 ; U105.28 v1(152.75,246.6) ; U105.28 v1(152.75,249.41) ; 166.53,22.52 166.05,23 v1(166.05,23.91) ; 166.53,22.52 166.05,22.05 v1(166.05,21.1) ; 156.05,249.3 156.15,249.4 v1(157.45,249.4) ; U117.1 170.28,58.67 169.65,58.05 v1(169.17,58.05) ; U117.1 170.55,57.95 ; U117.1 170.93,58.67 171.55,58.05 v1(171.95,58.05) ; 170.55,57.95 169.85,57.25 v1(169.85,56.6) ; 156.05,133.95 155.35,133.25 v1(155.35,132.6) ; v1(159.05,94.41) 159.05,93.5 159.53,93.03 ; 159.53,93.03 159.05,92.55 v1(159.05,91.6)
  PWR1 w0.254: PM5.1 28.67,273.73 ; PM5.1 28.88,274.4 ; PM5.1 28,275.28 ; PM5.1 27.12,274.4 ; PM5.1 28,273.52 ; PM5.1 27.33,275.07 ; PM5.1 27.33,273.73 ; PM5.1 28.67,275.07 ; U122.2 171.18,154.14 ; U122.2 170.42,152.4 ; U122.2 170.8,152.39 ; U122.2 170.8,154.14 ; U122.2 170.13,153.94 ; U122.2 171.47,153.94 ; U122.2 171.47,152.6 ; U122.2 170.13,152.6 ; 5.8,142.39 U1.2 ; U1.2 5.42,142.4 ; U1.2 5.8,144.14 ; U1.2 6.18,144.14 ; U1.2 6.47,142.6 ; U1.2 5.13,142.6 ; U1.2 5.13,143.94 ; U1.2 6.47,143.94
  BOTTOM w0.254: 160.05,128.11 C572.1 ; C572.1 162.95,128.11 ; C572.1 161.5,127.17 ; C572.1 161.5,129.05 ; C567.1 162,54.05 ; C567.1 160.55,53.11 ; C567.1 162,52.17 ; C567.1 163.45,53.11 ; 157.5,203.17 C579.1 ; C579.1 156.05,204.11 ; C579.1 158.95,204.11 ; C579.1 157.5,205.05 ; C557.1 166,18.55 ; C557.1 166,16.67 ; C557.1 164.55,17.61 ; C557.1 167.45,17.61 ; C555.1 167,89.05 ; C555.1 165.55,88.11 ; C555.1 167,87.17 ; C555.1 168.45,88.11 ; C603.1 154.95,204.11 ; C603.1 153.5,205.05 ; C603.1 153.5,203.17 ; C603.1 152.05,204.11 ; 172.55,53.11 C546.1 ; C546.1 174,52.17 ; C546.1 174,54.05 ; C546.1 175.45,53.11 ; C592.1 156.45,88.11 ; C592.1 155,87.17 ; C592.1 155,89.05 ; C592.1 153.55,88.11 ; 160.05,204.11 C570.1 ; C570.1 162.95,204.11 ; C570.1 161.5,205.05 ; C570.1 161.5,203.17 ; 149.5,241.17 C629.1 ; C629.1 150.95,242.11 ; C629.1 148.05,242.11 ; C629.1 149.5,243.05 ; C632.1 150.95,128.11 ; C632.1 149.5,129.05 ; C632.1 149.5,127.17 ; C632.1 148.05,128.11 ; 170,52.17 C549.1 ; C549.1 170,54.05 ; C549.1 168.55,53.11 ; C549.1 171.45,53.11 ; C597.1 154,167.05 ; C597.1 154,165.17 ; C597.1 152.55,166.11 ; C597.1 155.45,166.11 ; 160.55,17.61 C568.1 ; C568.1 163.45,17.61 ; C568.1 162,18.55 ; C568.1 162,16.67 ; 160.05,242.11 C569.1 ; C569.1 161.5,243.05 ; C569.1 162.95,242.11 ; C569.1 161.5,241.17 ; 152.05,242.11 C600.1 ; C600.1 153.5,241.17 ; C600.1 154.95,242.11 ; C600.1 153.5,243.05 ; C562.1 164.45,88.11 ; C562.1 163,89.05 ; C562.1 161.55,88.11 ; C562.1 163,87.17 ; 156.05,128.11 C581.1 ; C581.1 158.95,128.11 ; C581.1 157.5,127.17 ; C581.1 157.5,129.05 ; C547.1 174,18.55 ; C547.1 175.45,17.61 ; C547.1 174,16.67 ; C547.1 172.55,17.61 ; 164.55,53.11 C556.1 ; C556.1 166,52.17 ; C556.1 166,54.05 ; C556.1 167.45,53.11 ; 148.05,204.11 C630.1 ; C630.1 150.95,204.11 ; C630.1 149.5,205.05 ; C630.1 149.5,203.17 ; C550.1 171.45,17.61 ; C550.1 170,18.55 ; C550.1 168.55,17.61 ; C550.1 170,16.67 ; C578.1 157.5,243.05 ; C578.1 158.95,242.11 ; C578.1 156.05,242.11 ; C578.1 157.5,241.17 ; 149.5,165.17 C631.1 ; C631.1 149.5,167.05 ; C631.1 148.05,166.11 ; C631.1 150.95,166.11 ; 159,87.17 C575.1 ; C575.1 157.55,88.11 ; C575.1 160.45,88.11 ; C575.1 159,89.05 ; 153.5,127.17 C608.1 ; C608.1 152.05,128.11 ; C608.1 154.95,128.11 ; C608.1 153.5,129.05 ; 156.05,166.11 C580.1 ; C580.1 157.5,165.17 ; C580.1 157.5,167.05 ; C580.1 158.95,166.11 ; 160.05,166.11 C571.1 ; C571.1 161.5,167.05 ; C571.1 161.5,165.17 ; C571.1 162.95,166.11
  vias: v1(148.05,243.4) v1(148.05,205.4) v1(148.05,167.4) v1(148.05,129.4) v1(149.25,243.45) v1(149.25,205.45) v1(149.25,167.45) v1(149.25,129.45) v1(152.75,243.45) v1(152.75,205.45) v1(152.75,167.45) v1(152.75,129.45) v1(153.95,243.45) v1(153.95,205.45) v1(153.95,167.45) v1(153.95,129.45) v1(155.35,243.45) v1(155.35,205.45) v1(155.35,167.45) v1(155.35,129.45) v1(156.8,243.45) v1(156.8,205.45) v1(156.8,167.45) v1(156.8,129.45) v1(158.2,205.45) v1(158.2,167.45) v1(158.2,129.45) v1(158.3,243.45) v1(160.85,243.45) v1(160.85,205.45) v1(160.85,167.45) v1(160.85,129.45) v1(161.5,188.9) v1(161.5,187.9) v1(161.5,186.9) v1(161.5,185.9) v1(161.5,184.9) v1(161.5,183.9) v1(161.5,182.9) v1(161.5,181.9) v1(161.5,180.9) v1(161.5,179.9) v1(162.65,243.45) v1(162.65,205.45) v1(162.65,167.45) v1(162.65,129.45) v1(163,188.9) v1(163,187.9) v1(163,186.9) v1(163,185.9) v1(163,184.9) v1(163,183.9) v1(163,182.9) v1(163,181.9) v1(163,180.9) v1(163,179.9) v1(164.5,188.9) v1(164.5,187.9) v1(164.5,186.9) v1(164.5,185.9) v1(164.5,184.9) v1(164.5,183.9) v1(164.5,182.9) v1(164.5,181.9) v1(164.5,180.9) v1(164.5,179.9) v1(166,188.9) v1(166,187.9) v1(166,186.9) v1(166,185.9) v1(167.5,188.9) v1(167.5,187.9) v1(167.5,186.9)
